# Altium PCB PCB2.PcbDoc (part 1 of 2) (continued)
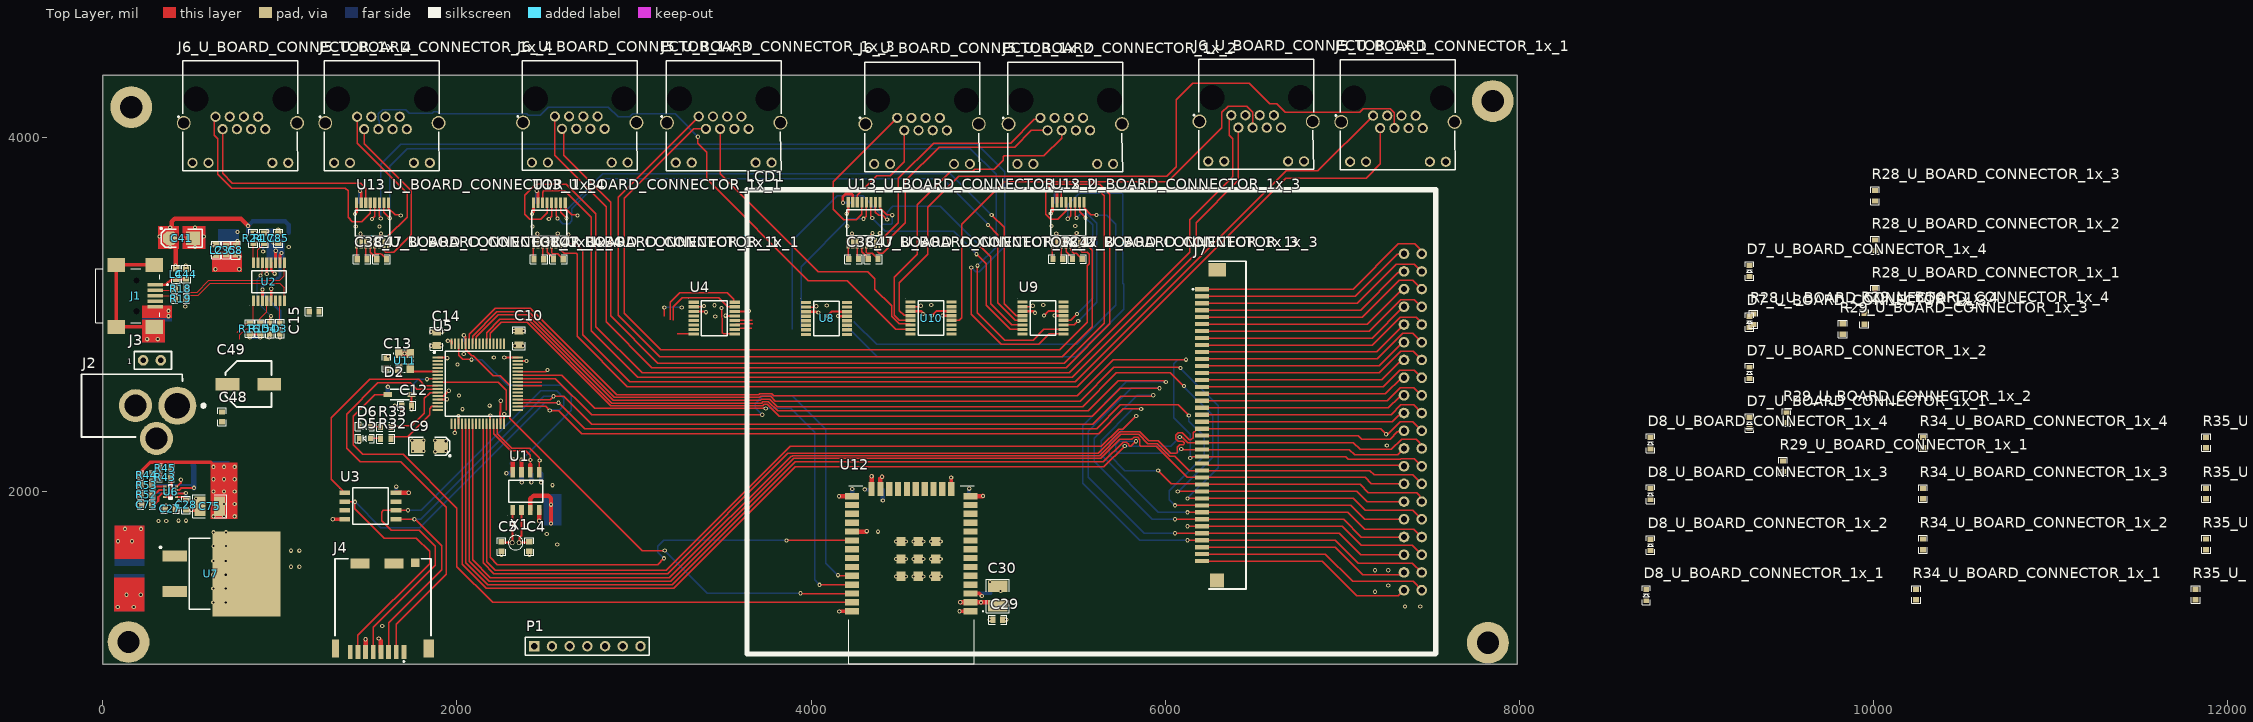
[diagram p0: Top Layer view]
## Components (designator, comment, footprint, x,y, rotation, side; value= is the part's Value field where it differs from the comment) (continued)
U6 "MP2333HGTL" MP2333HGTL-P 383.71,1997.31 r180 top value=3.3V
U7 "LD1085D2T33R" LD1085D2T33R 811.54,1534.72 r0 top value=3.3V
U8 "ADG708BRUZ" ADG708BRUZ 4087.68,2976.61 r0 top
U9 "ADG708BRUZ" ADG708BRUZ 5310.39,2979.21 r0 top
U10 "ADG708BRUZ" ADG708BRUZ 4677.95,2979.21 r0 top
U11 "OSC-25" ASE-25.000MHZ-LC-T 1704.84,2736.93 r270 top value=25MHZ
U12 "ESP32-WROOM-32E_M113EH3200PH3Q0_" ESP32WROOM32EM113EH3200PH3Q0 4901.5,1323.41 r180 top
U13_U_BOARD_CONNECTOR_1x_1 "MAX3232CPWR" MAX3232CPWR 2522.23,3515.16 r90 top (schematic designator U13)
U13_U_BOARD_CONNECTOR_1x_2 "MAX3232CPWR" MAX3232CPWR 4299.72,3516.69 r90 top (schematic designator U13)
U13_U_BOARD_CONNECTOR_1x_3 "MAX3232CPWR" MAX3232CPWR 5452.91,3517.25 r90 top (schematic designator U13)
U13_U_BOARD_CONNECTOR_1x_4 "MAX3232CPWR" MAX3232CPWR 1523.62,3515.16 r90 top (schematic designator U13)
X1 "AB26T-32.768KHZ-6" AB26T32768KHZE 2312.17,1710.55 r0 top value=32.768KHZ

## Footprints (in the part's own frame and the unit in brackets; to place one, negate y for a bottom-side part, rotate by r counter-clockwise, add the part's x,y. Pads: shape width x height; smd on the part's side, far side on the other; paste and mask are expansions set on the pad)
1N4148W-13-F [mm]
  rect 1.2x0.75 smd: 1(-1.7,0) 2(1.7,0)
  silkscreen extent -2.3,-0.77 1.35,0.77, body extent -1.85,-0.78 1.85,0.78, height 1.45
0603C [mm]
  rect 0.762x0.9 smd: 1(-0.7,0) 2(0.7,0)
  silkscreen extent -1.27,-0.64 1.27,0.64, body extent -0.8,-0.4 0.8,0.4, height 0.93
0603L [mil]
  rect 30x35 smd: 1(30,0) 2(-30,0)
  silkscreen extent -50,-25 50,25, body extent -31,-16 32,16, height 31
0603R [mil]
  rect 30x35 smd: 1(30,0) 2(-30,0)
  silkscreen extent -50,-25 50,25, body extent -31,-17 31,17, height 18
0805C [mm]
  rect 1x1.25 smd: 1(-1,0) 2(1,0)
  silkscreen extent -1.65,-0.89 1.65,0.89, body extent -1,-0.6 1,0.6, height 0.91
0805R [mil]
  rect 40x50 smd: 1(-40,0) 2(40,0)
  silkscreen extent -65,-35 65,35, body extent -39,-25 39,25, height 18
1210C [mm]
  rect 1.6x2.794 smd: 1(-1.4,0) 2(1.4,0)
  silkscreen extent -2.41,-1.65 2.41,1.65, body extent -1.6,-1.25 1.6,1.25, height 2.5
10033527-N3112LF [mm]
  rect 0.5x2.25 smd: 1(-1.6,2.675) 2(-0.8,2.675) 3(0,2.675) 4(0.8,2.675) 5(1.6,2.675)
  round 0.45 hole 0.9 unplated: MH1(-2.2,0) MH2(2.2,0)
  rect 2x2.5 smd: MP1(-4.45,2.55) MP2(4.45,2.55) MP3(-4.45,-2.87) MP4(4.45,-2.87)
  silkscreen extent -3.85,-5.85 3.85,4.55, body extent -5.25,-5.85 5.25,3.75, height 4.15
AB26T32768KHZE [mm]
  round 0.7 hole 0.46: 1(0,0) 2(1,0)
  silkscreen extent -0.55,-1.05 1.55,1.05, body extent -0.55,-1.05 1.55,1.05, height 8.3
ADG708BRUZ [mm]
  rect 1.475x0.45 smd: 1(-2.938,2.275) 2(-2.938,1.625) 3(-2.938,0.975) 4(-2.938,0.325) 5(-2.938,-0.325) 6(-2.938,-0.975) 7(-2.938,-1.625) 8(-2.938,-2.275) 9(2.938,-2.275) 10(2.938,-1.625) 11(2.938,-0.975) 12(2.938,-0.325) 13(2.938,0.325) 14(2.938,0.975) 15(2.938,1.625) 16(2.938,2.275)
  silkscreen extent -3.68,-2.5 1.85,2.85, body extent -3.2,-2.5 3.2,2.5, height 1.2
ASE-25.000MHZ-LC-T [mm]
  rect 1.3x1.1 smd: 1(-1.05,-0.825) 2(1.05,-0.825) 3(1.05,0.825) 4(-1.05,0.825)
  silkscreen extent -1.6,-1.65 1.6,1.25, body extent -1.6,-1.26 1.6,1.26, height 1.1
CASE-A [mm]
  oct 2x2 smd: 1(0,0)
  rect 2x2 smd: 2(3.3,0)
  silkscreen extent -1.43,-1.3 4.6,1.53, body extent -0.7,-0.9 4.1,0.9, height 1.8
DM3CS-SF-PEJMS [mm]
  rect 0.7x2 smd: 1(3,-6.35) 2(1.9,-6.35) 3(0.8,-6.35) 4(-0.3,-6.35) 5(-1.4,-6.35) 6(-2.5,-6.35) 7(-3.6,-6.35) 8(-4.7,-6.35)
  rect 1x2.6 smd: 9(-6.8,-5.85)
  rect 1.5x2.6 smd: 10(6.55,-5.85)
  rect 1.2x1.2 smd: 11(4.65,6.45)
  rect 2.7x1.4 smd: 12(1.6,6.35) 13(-3.3,6.35)
  silkscreen extent -6.9,-7.8 6.9,7.05, body extent -6.9,-7.1 6.9,7, height 1.98
EEE-FN1J100L [mm]
  rect 3.4x1.8 smd: 1(-3,0) 2(3,0)
  silkscreen extent -3.3,-3.3 3.3,3.3, body extent -3.9,-3.4 3.9,3.4, height 6.1
ER-TFTM035-6 [mil]
  round 60 hole 35.43: 1(-950,1736.22) 2(-950,1636.22) 3(-850,1736.22) 4(-850,1636.22) 5(-750,1736.22) 6(-750,1636.22) 7(-650,1736.22) 8(-650,1636.22) 9(-550,1736.22) 10(-550,1636.22) 11(-450,1736.22) 12(-450,1636.22) 13(-350,1736.22) 14(-350,1636.22) 15(-250,1736.22) 16(-250,1636.22) 17(-150,1736.22) 18(-150,1636.22) 19(-50,1736.22) 20(-50,1636.22) 21(50,1736.22) 22(50,1636.22) 23(150,1736.22) 24(150,1636.22) 25(250,1736.22) 26(250,1636.22) 27(350,1736.22) 28(350,1636.22) 29(450,1736.22) 30(450,1636.22) 31(550,1736.22) 32(550,1636.22) 33(650,1736.22) 34(650,1636.22) 35(750,1736.22) 36(750,1636.22) 37(850,1736.22) 38(850,1636.22) 39(950,1736.22) 40(950,1636.22)
  silkscreen extent -1311,-2074 1311,1816
ERCON40HB2 [mm]
  rect 0.6x2 smd: 1(-19.5,-2.45) 2(-18.5,-2.45) 3(-17.5,-2.45) 4(-16.5,-2.45) 5(-15.5,-2.45) 6(-14.5,-2.45) 7(-13.5,-2.45) 8(-12.5,-2.45) 9(-11.5,-2.45) 10(-10.5,-2.45) 11(-9.5,-2.45) 12(-8.5,-2.45) 13(-7.5,-2.45) 14(-6.5,-2.45) 15(-5.5,-2.45) 16(-4.5,-2.45) 17(-3.5,-2.45) 18(-2.5,-2.45) 19(-1.5,-2.45) 20(-0.5,-2.45) 21(0.5,-2.45) 22(1.5,-2.45) 23(2.5,-2.45) 24(3.5,-2.45) 25(4.5,-2.45) 26(5.5,-2.45) 27(6.5,-2.45) 28(7.5,-2.45) 29(8.5,-2.45) 30(9.5,-2.45) 31(10.5,-2.45) 32(11.5,-2.45) 33(12.5,-2.45) 34(13.5,-2.45) 35(14.5,-2.45) 36(15.5,-2.45) 37(16.5,-2.45) 38(17.5,-2.45) 39(18.5,-2.45) 40(19.5,-2.45)
  rect 2x2.5 smd: 41(-22.3,-0.3)
  rect 2x2 smd: 42(22.3,-0.3)
  silkscreen extent -23.5,-3.85 23.5,3.85
ESP32WROOM32EM113EH3200PH3Q0 [mm]
  rect 2x0.9 smd: 1(0,0) 2(0,-1.27) 3(0,-2.54) 4(0,-3.81) 5(0,-5.08) 6(0,-6.35) 7(0,-7.62) 8(0,-8.89) 9(0,-10.16) 10(0,-11.43) 11(0,-12.7) 12(0,-13.97) 13(0,-15.24) 14(0,-16.51) 25(17,-16.51) 26(17,-15.24) 27(17,-13.97) 28(17,-12.7) 29(17,-11.43) 30(17,-10.16) 31(17,-8.89) 32(17,-7.62) 33(17,-6.35) 34(17,-5.08) 35(17,-3.81) 36(17,-2.54) 37(17,-1.27) 38(17,0)
  rect 0.9x2 smd: 15(2.785,-17.51) 16(4.055,-17.51) 17(5.325,-17.51) 18(6.595,-17.51) 19(7.865,-17.51) 20(9.135,-17.51) 21(10.405,-17.51) 22(11.675,-17.51) 23(12.945,-17.51) 24(14.215,-17.51)
  rect 1.33x1.33 smd: 39(5,-5) 40(5,-7.5) 41(5,-10) 42(7.5,-10) 43(7.5,-7.5) 44(7.5,-5) 45(10,-5) 46(10,-7.5) 47(10,-10)
  silkscreen extent -1.8,-18 17.5,7.5, body extent -0.46,-18.03 17.61,7.51, height 3
FT230 [mm]
  rect 1.526x0.435 smd: 1(-2.712,2.222) 2(-2.712,1.588) 3(-2.712,0.952) 4(-2.712,0.318) 5(-2.712,-0.318) 6(-2.712,-0.952) 7(-2.712,-1.588) 8(-2.712,-2.222) 9(2.712,-2.222) 10(2.712,-1.588) 11(2.712,-0.952) 12(2.712,-0.318) 13(2.712,0.318) 14(2.712,0.952) 15(2.712,1.588) 16(2.712,2.222)
  silkscreen extent -3.48,-2.45 1.6,2.79, body extent -3,-2.45 3,2.45, height 1.75
HDR1X7 [mm] "Connector; Header; 7 Position"
  rect 1.5x1.5 hole 0.9: 1(0,0)
  round 1.5 hole 0.9: 2(2.54,0) 3(5.08,0) 4(7.62,0) 5(10.16,0) 6(12.7,0) 7(15.24,0)
  silkscreen extent -1.27,-1.27 16.51,1.27
HEADER_2 [mil]
  round 60 hole 30: 1(0,150) 2(0,50)
  silkscreen extent -50,-10 50,200
IHLP1616BZER2R2M5A [mil]
  rect 90x120 smd: 1(0,0) 2(157.48,0)
  silkscreen extent -10,-85 165,85
LD1085D2T33R [mm]
  rect 3.5x1.6 smd: 1(-10.275,2.54) 3(-10.275,-2.54)
  rect 9.75x12.2 smd: 4(0,0)
  silkscreen extent -12.39,-5.1 -5.2,5.1, body extent -10.41,-3.25 -0.71,3.33, height 2.3
LED_0603 [mm]
  rect 0.7x0.8 smd: 1(-0.8,0) 2(0.8,0)
  silkscreen extent -1.35,-0.6 1.35,0.6, body extent -0.8,-0.4 0.8,0.4, height 0.75
MAX3232CPWR [mm]
  rect 1.475x0.45 smd: 1(-2.938,2.275) 2(-2.938,1.625) 3(-2.938,0.975) 4(-2.938,0.325) 5(-2.938,-0.325) 6(-2.938,-0.975) 7(-2.938,-1.625) 8(-2.938,-2.275) 9(2.938,-2.275) 10(2.938,-1.625) 11(2.938,-0.975) 12(2.938,-0.325) 13(2.938,0.325) 14(2.938,0.975) 15(2.938,1.625) 16(2.938,2.275)
  silkscreen extent -1.85,-2.5 1.85,2.5, body extent -3.2,-2.5 3.2,2.5, height 1.2
MCP79400-I/SN [mm]
  rect 1.5x0.65 smd: 1(-2.7,1.905) 2(-2.7,0.635) 3(-2.7,-0.635) 4(-2.7,-1.905) 5(2.7,-1.905) 6(2.7,-0.635) 7(2.7,0.635) 8(2.7,1.905)
  silkscreen extent -3.45,-2.45 1.6,2.58, body extent -3,-2.45 3,2.45, height 1.75
MP2333HGTL-P [mm]
  rect 0.475x0.3 smd: 1(-0.838,0.75) 2(-0.838,0.25) 3(-0.838,-0.25) 4(-0.838,-0.75) 5(0.838,-0.75) 6(0.838,-0.25) 7(0.838,0.25) 8(0.838,0.75)
  silkscreen extent -1.27,-1.05 0.25,1.42, body extent -0.8,-1.05 0.8,1.05, height 0.6
PJ002BH [mm]
  round 5.46 hole 3.64: 1(0,0)
  round 4.74 hole 3.16: 2(6,0) 3(3,4.7)
  silkscreen extent -4,-4.5 13.75,4.5, body extent -0.73,-4.57 13.67,4.83, height 11.36
RJHSE5381 [mm]
  round 1.462 hole 0.94: 1(3.501,0.125) 2(2.481,1.905) 3(1.461,0.125) 4(0.441,1.905) 5(-0.579,0.125) 6(-1.599,1.905) 7(-2.619,0.125) 8(-3.639,1.905) 9(6.801,6.735) 10(4.511,6.735) 11(-4.649,6.735) 12(-6.939,6.735)
  round 2 hole 1.6: MH1(-8.199,1.015) MH2(8.061,1.015)
  round 1.65 hole 3.556 unplated: MH3(-6.419,-2.415) MH4(6.281,-2.415)
  silkscreen extent -8.32,-7.88 8.93,7.88, body extent -8.47,-8.13 8.36,8.08, height 16.37
S25FL064LABMFI013 [mm]
  rect 1.55x0.65 smd: 1(-3.675,1.905) 2(-3.675,0.635) 3(-3.675,-0.635) 4(-3.675,-1.905) 5(3.675,-1.905) 6(3.675,-0.635) 7(3.675,0.635) 8(3.675,1.905)
  silkscreen extent -4.45,-2.64 2.55,2.64, body extent -4,-2.64 4,2.64, height 2.16
STM32F101RBT6 [mm]
  rect 1.475x0.3 smd: 1(-5.738,3.75) 2(-5.738,3.25) 3(-5.738,2.75) 4(-5.738,2.25) 5(-5.738,1.75) 6(-5.738,1.25) 7(-5.738,0.75) 8(-5.738,0.25) 9(-5.738,-0.25) 10(-5.738,-0.75) 11(-5.738,-1.25) 12(-5.738,-1.75) 13(-5.738,-2.25) 14(-5.738,-2.75) 15(-5.738,-3.25) 16(-5.738,-3.75) 33(5.738,-3.75) 34(5.738,-3.25) 35(5.738,-2.75) 36(5.738,-2.25) 37(5.738,-1.75) 38(5.738,-1.25) 39(5.738,-0.75) 40(5.738,-0.25) 41(5.738,0.25) 42(5.738,0.75) 43(5.738,1.25) 44(5.738,1.75) 45(5.738,2.25) 46(5.738,2.75) 47(5.738,3.25) 48(5.738,3.75)
  rect 0.3x1.475 smd: 17(-3.75,-5.738) 18(-3.25,-5.738) 19(-2.75,-5.738) 20(-2.25,-5.738) 21(-1.75,-5.738) 22(-1.25,-5.738) 23(-0.75,-5.738) 24(-0.25,-5.738) 25(0.25,-5.738) 26(0.75,-5.738) 27(1.25,-5.738) 28(1.75,-5.738) 29(2.25,-5.738) 30(2.75,-5.738) 31(3.25,-5.738) 32(3.75,-5.738) 49(3.75,5.738) 50(3.25,5.738) 51(2.75,5.738) 52(2.25,5.738) 53(1.75,5.738) 54(1.25,5.738) 55(0.75,5.738) 56(0.25,5.738) 57(-0.25,5.738) 58(-0.75,5.738) 59(-1.25,5.738) 60(-1.75,5.738) 61(-2.25,5.738) 62(-2.75,5.738) 63(-3.25,5.738) 64(-3.75,5.738)
  silkscreen extent -6.35,-4.65 4.65,4.65, body extent -6,-6 6,6, height 1.6

## Part data
C1 C6 C7 C11 C13 C15 C16 C17 C18 C19 C20 C21 C22 C23 C24 C29 C32 C36 C42 C43 C85: library part Cap, "Multilayer Ceramic Capacitors MLCC - SMD/SMT 0603 16VDC 0.1uF 10% X7R AEC-Q2000", Mfr="Taiyo Yuden", Mfr Part No=EMK107B7104KAHT, Package=0603, PRICE=0.101, Stockiest=MOUSER, Stockiest Part No=963-EMK107B7104KAHT
C2: library part 0805_CAP, "Multilayer Ceramic Capacitors MLCC - SMD/SMT 0603 16VDC 0.1uF 10% X7R AEC-Q2000", Mfr="Taiyo Yuden", Mfr Part No=EMK107B7104KAHT, Package=0603, PRICE=0.101, Stockiest=MOUSER, Stockiest Part No=963-EMK107B7104KAHT
C3 C9 C40 C41: library part "Cap Pol1", "Tantalum Capacitors - Solid SMD 16V 4.7uF 1206", Mfr=KEMET, Mfr Part No=T495A475K016ATA2K0, Package=1206, PRICE=1.83, Stockiest=MOUSER, Stockiest Part No=80-T495A475K16ATA2K0
C4 C5 C76: library part Cap, "Multilayer Ceramic Capacitors MLCC - SMD/SMT 50V 10pF 0603 C0G 5% AEC-Q200", Mfr=KEMET, Mfr Part No=C0603C100J5GACAUTO, Package=0603, PRICE=0.192, Stockiest=MOUSER, Stockiest Part No=80-C0603C100J5GAUTO
C8 C44: library part Cap, "Multilayer Ceramic Capacitors MLCC - SMD/SMT 16V 0.01uF X7R 0603 10% AEC-Q200", Mfr=KEMET, Mfr Part No=C0603C103K4RECAUTO, Package=0603, PRICE=0.151, Stockiest=MOUSER, Stockiest Part No=80-C0603C103K4RECAUT
C10 C14 C37: library part Cap, "Multilayer Ceramic Capacitors MLCC - SMD/SMT 0805 25VDC 10uF 20% X5R", Mfr="Taiyo Yuden", Mfr Part No=TMK212BBJ106MG-T, Package=0805, PRICE=0.232, Stockiest=MOUSER, Stockiest Part No=963-TMK212BBJ106MG-T
C12 C25 C31: library part Cap, "Multilayer Ceramic Capacitors MLCC - SMD/SMT 16volts 1uF X7R 10%", Mfr=KEMET, Mfr Part No=C0603C105K4RAC7411, Package=0603, PRICE=0.101, Stockiest=MOUSER, Stockiest Part No=80-C0603C105K4RLR
C26 C30 C33 C34 C74 C75: library part Cap, "Multilayer Ceramic Capacitors MLCC - SMD/SMT 1210 25VDC 22uF 20% X7R AEC-Q200", Mfr="Taiyo Yuden", Mfr Part No=TMK325B7226MMHP, Package=1210, PRICE=0.807, Stockiest=MOUSER, Stockiest Part No=963-TMK325B7226MMHP
C27 C38_U_BOARD_CONNECTOR_1x_1 C38_U_BOARD_CONNECTOR_1x_2 C38_U_BOARD_CONNECTOR_1x_3 C38_U_BOARD_CONNECTOR_1x_4 C39_U_BOARD_CONNECTOR_1x_1 C39_U_BOARD_CONNECTOR_1x_2 C39_U_BOARD_CONNECTOR_1x_3 C39_U_BOARD_CONNECTOR_1x_4 C45_U_BOARD_CONNECTOR_1x_1 C45_U_BOARD_CONNECTOR_1x_2 C45_U_BOARD_CONNECTOR_1x_3 C45_U_BOARD_CONNECTOR_1x_4 C46_U_BOARD_CONNECTOR_1x_1 C46_U_BOARD_CONNECTOR_1x_2 C46_U_BOARD_CONNECTOR_1x_3 C46_U_BOARD_CONNECTOR_1x_4 C47_U_BOARD_CONNECTOR_1x_1 C47_U_BOARD_CONNECTOR_1x_2 C47_U_BOARD_CONNECTOR_1x_3 C47_U_BOARD_CONNECTOR_1x_4: library part Cap, "Multilayer Ceramic Capacitors MLCC - SMD/SMT 50V 0.1uF 0603 X7R 20%", Mfr=KEMET, Mfr Part No=C0603C104M5RACTU, Package=0603, PRICE=0.101, Stockiest=MOUSER, Stockiest Part No=80-C0603C104M5R
C28: library part Cap, "Multilayer Ceramic Capacitors MLCC - SMD/SMT 63V 1000pF 0603 X7R 10% AEC-Q200", Mfr=KEMET, Mfr Part No=80-C0603C102KMREAUTO, Package=0603, PRICE=0.201, Stockiest=MOUSER, Stockiest Part No=C0603C102KMRECAUTO
C35: library part Cap, "Multilayer Ceramic Capacitors MLCC - SMD/SMT 0603 16VDC 0.1uF 10% X7R AEC-Q200", Mfr="Taiyo Yuden", Mfr Part No=EMK107B7104KAHT, Package=0603, PRICE=0.101, Stockiest=MOUSER, Stockiest Part No=963-EMK107B7104KAHT
C48: library part Cap, "Multilayer Ceramic Capacitors MLCC - SMD/SMT 0603 2.2uF 20% 50VDC X5R", Mfr="Murata Electronics", Mfr Part No=GRM188R61H225ME11J, Package=0603, PRICE=0.333, Stockiest=MOUSER, Stockiest Part No=81-GRM188R61H225ME1J
C49: library part "Cap Pol1", "Polarized Capacitor (Radial)", Mfr=Panasonic, Mfr Part No=EEE-FN1J100L, Package=SMD, PRICE=0.484, Stockiest=MOUSER, Stockiest Part No=667-EEE-FN1J100L
C50 C63: library part Cap, "Multilayer Ceramic Capacitors MLCC - SMD/SMT 100V 47pF 0603 X8R 20% AEC-Q200", Mfr=KEMET, Mfr Part No=C0603C470M1HACAUTO, Package=0603, PRICE=0.121, Stockiest=MOUSER, Stockiest Part No=80-C0603C470M1HAUTO
C73: library part Cap, "Multilayer Ceramic Capacitors MLCC - SMD/SMT 0603 50VDC 6.8nF 5% C0G AEC-Q200", Mfr=TDK, Mfr Part No=CGA3E2C0G1H682J080AE, Package=0603, PRICE=0.363, Stockiest=MOUSER, Stockiest Part No=810-CGA3E2C0G1H682J8
C86: library part 0805_CAP, "Multilayer Ceramic Capacitors MLCC - SMD/SMT 50V 4700pF X7R 0603 10% AEC-Q200", Mfr=KEMET, Mfr Part No=C0603C472K5RACAUTO7411, Package=0603, PRICE=0.221, Stockiest=MOUSER, Stockiest Part No=80-C0603C472K5RAUTLR
D1 D2: library part Diode, "Diodes - General Purpose, Power, Switching 400mW 100Vrrm 4ns", Mfr="Diodes Incorporated", Mfr Part No=1N4148W-13-F, Package=SOD-123-2, PRICE=0.171, Stockiest=MOUSER, Stockiest Part No=621-1N4148W-13-F
D3 D4: library part LED, "Standard LEDs - SMD Red 631nm 14mcd 5mA", Mfr Part No=LTST-C193KRKT-5A, Package=0603, PRICE=0.28, Stockiest=MOUSER, Stockiest Part No=859-LTSTC193KRKT5A
D5 D6 D7_U_BOARD_CONNECTOR_1x_1 D7_U_BOARD_CONNECTOR_1x_2 D7_U_BOARD_CONNECTOR_1x_3 D7_U_BOARD_CONNECTOR_1x_4 D8_U_BOARD_CONNECTOR_1x_1 D8_U_BOARD_CONNECTOR_1x_2 D8_U_BOARD_CONNECTOR_1x_3 D8_U_BOARD_CONNECTOR_1x_4: library part LED, "Standard LEDs - SMD Red 631nm 14mcd 5mA", Mfr=Lite-On, Mfr Part No=LTST-C193KRKT-5A, Package=0603, PRICE=0.393, Stockiest=MOUSER, Stockiest Part No=859-LTSTC193KRKT5A
J1: library part 10033527-N3112LF, "USB Connectors M-USB 1X1 B/REC R/A SMT", Mfr="TE Connectivity", Mfr Part No=1734035-2, PRICE=1.59, Stockiest=MOUSER, Stockiest Part No=571-1734035-2
J2: "Connector", Manufacturer_Name="CUI Devices", Mouser Part Number=490-PJ-002BH, Arrow Part Number=PJ-002BH, Arrow Price/Stock=https://www.arrow.com/en/products/pj-002bh/cui-devices, Datasheet Link=https://componentsearchengine.com/Datasheets/1/PJ-002BH.pdf, Height=11mm, Manufacturer_Part_Number=PJ-002BH, Mouser Price/Stock=https://www.mouser.co.uk/ProductDetail/CUI-Devices/PJ-002BH?qs=WyjlAZoYn51nOX1h%2FqpLlg%3D%3D
J3: "Coin Cell Battery Holders 20mm coin cell HOLDER", Mfr Part No=101, PRICE=2.23, Stockiest=MOUSER, Stockiest Part No=534-101
J4: "Memory Card Connectors 8P R/A SMT MICRO SD HINGE PUSH-PULL", Mfr="Hirose Connector", Mfr Part No=DM3CS-SF, PRICE=1.44, Stockiest=MOUSER, Stockiest Part No=798-DM3CSSF
J5_U_BOARD_CONNECTOR_1x_1 J5_U_BOARD_CONNECTOR_1x_2 J5_U_BOARD_CONNECTOR_1x_3 J5_U_BOARD_CONNECTOR_1x_4 J6_U_BOARD_CONNECTOR_1x_1 J6_U_BOARD_CONNECTOR_1x_2 J6_U_BOARD_CONNECTOR_1x_3 J6_U_BOARD_CONNECTOR_1x_4: "Modular Connectors / Ethernet Connectors R/A RJ45 SHEILDED 8 CONT Y/G LEDS", Mfr="Amphenol Commercial Products", Mfr Part No=RJHSE-5381, PRICE=1.77, Stockiest=MOUSER, Stockiest Part No=523-RJHSE-5381
J7: "Connector", Manufacturer_Name=EastRising, Datasheet Link=http://www.buydisplay.com/download/connector/ER-CON40HB-2.pdf, Height=2mm, Manufacturer_Part_Number=ER-CON40HB-2
L2 L4: library part 0805_IND, "Ferrite Beads 100ohms 1A 60mOhms 0603 Ferrite Chip", Mfr=TDK, Mfr Part No=MPZ1608D101BTA00, Package=0603, PRICE=0.10, Stockiest=MOUSER, Stockiest Part No=810-MPZ1608D101BTA00
L6: library part INDUCTOR, "Fixed Inductors 2.2uH 20% High Temp AEC-Q200", Mfr="Vishay / Dale", Mfr Part No=IHLP1616BZER2R2M5A, PRICE=1.36, Stockiest=MOUSER, Stockiest Part No=70-IHLP1616BZR2R2M5A
LCD1: library part ER-TFTM035-6, Mfr="Buy LCD", Mfr Part No=ER-TFTM035-6, PRICE=17, Stockiest="BUY LCD", Stockiest Part No=ER-TFTM035-6
P1: library part "Header 7", "Header, 7-Pin", Stockiest=MOUSER
R1 R4 R5 R6 R7 R8 R11 R12 R13 R14 R15 R16 R17 R20 R21 R25 R26 R27 R28_U_BOARD_CONNECTOR_1x_1 R28_U_BOARD_CONNECTOR_1x_2 R28_U_BOARD_CONNECTOR_1x_3 R28_U_BOARD_CONNECTOR_1x_4 R29_U_BOARD_CONNECTOR_1x_1 R29_U_BOARD_CONNECTOR_1x_2 R29_U_BOARD_CONNECTOR_1x_3 R29_U_BOARD_CONNECTOR_1x_4 R43: library part Res1, "Thick Film Resistors - SMD 0603 10Kohms 1% Anti-Sulfur AEC-Q200", Mfr="ROHM Semiconductor", Mfr Part No=SFR03EZPF1002, Package=0603, PRICE=0.101, Stockiest=MOUSER, Stockiest Part No=755-SFR03EZPF1002
R2 R3: library part Res1, "Resistor", Mfr="Vishay / Dale", Mfr Part No=CRCW06031K00FKEAC, Package=0603, PRICE=0.1, Stockiest=MOUSER, Stockiest Part No=71-CRCW06031K00FKEAC
R9 R24: library part Res1, "Thick Film Resistors - SMD 1/10Watt 0ohms Commercial Use", Mfr="Vishay / Dale", Mfr Part No=CRCW06030000Z0EAC, Package=0603, PRICE=0.101, Stockiest=MOUSER, Stockiest Part No=71-CRCW06030000Z0EAC
R10: library part 0402_RES, "Thick Film Resistors - SMD 0603 10Kohms 1% Anti-Sulfur AEC-Q200", Mfr="ROHM Semiconductor", Mfr Part No=SFR03EZPF1002, Package=0603, PRICE=0.101, Stockiest=MOUSER, Stockiest Part No=755-SFR03EZPF1002
R18 R19: library part Res1, "Thick Film Resistors - SMD 0603 0.25W 1% 27ohm AEC-Q200", Mfr=Panasonic, Mfr Part No=ERJ-UP3F27R0V, Package=0603, PRICE=0.262, Stockiest=MOUSER, Stockiest Part No=667-ERJ-UP3F27R0V
R22: library part 0805_RES, "Thick Film Resistors - SMD 0603 0.25W 1% 1Mohm AEC-Q200", Mfr=Panasonic, Mfr Part No=ERJ-UP3F1004V, Package=0603, PRICE=0.262, Stockiest=MOUSER, Stockiest Part No=667-ERJ-UP3F1004V
R23: library part Res1, "Thick Film Resistors - SMD 1/10Watt 4.7Kohms 5% Commercial Use", Mfr="Vishay / Dale", Mfr Part No=CRCW06034K70JNEAC, Package=0603, PRICE=0.101, Stockiest=MOUSER, Stockiest Part No=71-CRCW06034K70JNEAC
R30 R31 R32 R33 R34_U_BOARD_CONNECTOR_1x_1 R34_U_BOARD_CONNECTOR_1x_2 R34_U_BOARD_CONNECTOR_1x_3 R34_U_BOARD_CONNECTOR_1x_4 R35_U_BOARD_CONNECTOR_1x_1 R35_U_BOARD_CONNECTOR_1x_2 R35_U_BOARD_CONNECTOR_1x_3 R35_U_BOARD_CONNECTOR_1x_4: library part Res1, "Thick Film Resistors - SMD 1/10Watt 220ohms 5% Commercial Use", Mfr="Vishay / Dale", Mfr Part No=CRCW0603220RJNEAC, Package=0603, PRICE=0.101, Stockiest=MOUSER, Stockiest Part No=71-CRCW0603220RJNEAC
R44: library part Res1, "Thick Film Resistors - SMD 0603 Anti-Surge Res. 0.1%, 40.2Koh", Mfr=Panasonic, Mfr Part No=ERJ-PB3B4022V, Package=0603, PRICE=0.252, Stockiest=MOUSER, Stockiest Part No=667-ERJ-PB3B4022V
R45: library part Res1, "Thick Film Resistors - SMD 0603 Anti-Surge Res. 0.1%, 7.68Koh", Mfr=Panasonic, Mfr Part No=ERJ-PB3B7681V, Package=0603, PRICE=0.252, Stockiest=MOUSER, Stockiest Part No=667-ERJ-PB3B7681V
R52: library part Res1, "Thick Film Resistors - SMD 0603 1% 604Kohm Anti-Sulfur AEC-Q200", Mfr=Panasonic, Mfr Part No=ERJ-U03F6043V, Package=0603, PRICE=0.221, Stockiest=MOUSER, Stockiest Part No=667-ERJ-U03F6043V
R53: library part Res1, "Thick Film Resistors - SMD 0603 0.25W 1% 20ohm AEC-Q200", Mfr=Panasonic, Mfr Part No=ERJ-UP3F20R0V, Package=0603, PRICE=0.262, Stockiest=MOUSER, Stockiest Part No=667-ERJ-UP3F20R0V
U1: "Real Time Clock I2C GP RTCC 64B SRAM ID", Mfr="Microchip Technology", Mfr Part No=MCP79400-I/SN, PRICE=0.827, Stockiest=MOUSER, Stockiest Part No=579-MCP79400ISN
U2: library part FT230, "USB Interface IC USB to Basic Serial UART IC SSOP-16", Mfr=FTDI, Mfr Part No=FT230XS-R, PRICE=2.06, Stockiest=MOUSER, Stockiest Part No=895-FT230XS-R
U3: "NOR Flash Nor", Mfr="Cypress Semiconductor", Mfr Part No=S25FL064LABMFI013, PRICE=1.45, Stockiest=MOUSER, Stockiest Part No=727-S25FL064LAMFI013
U4 U8 U9 U10: "Multiplexer Switch ICs 8-CHANNEL MUX", Mfr="Analog Devices", Mfr Part No=ADG708BRUZ, PRICE=3.68, Stockiest=MOUSER, Stockiest Part No=584-ADG708BRUZ
U5: "ARM Microcontrollers - MCU 32BIT Cortex M3 128K 16KB RAM 1X12 ADC", Mfr=STMicroelectronics, Mfr Part No=STM32F101RBT6, PRICE=5.12, Stockiest=MOUSER, Stockiest Part No=511-STM32F101RBT6
U6: "Switching Voltage Regulators High-Efficiency, 3A, 18V, 1200kHz, Synchronous, Step-Down Converter", Mfr="Monolithic Power Systems (MPS)", Mfr Part No=MP2333HGTL-P, PRICE=1.89, Stockiest=MOUSER, Stockiest Part No=946-MP2333HGTL-P
U7: "Integrated Circuit", Mfr=STMicroelectronics, Mfr Part No=LD1085D2T33R, PRICE=1.30, Stockiest=MOUSER, Stockiest Part No=511-LD1085D2T33-TR
U11: library part CRYSTAL, "Standard Clock Oscillators 25.0 MHZ 3.3V 50PPM SMD 32", Mfr=ABRACON, Mfr Part No=ASE-25.000MHZ-LC-T, PRICE=1.42, Stockiest=MOUSER, Stockiest Part No=815-ASE25.000MHZLCT
U12: "Integrated Circuit", Mfr="Espressif Systems", Mfr Part No=ESP32-WROOM-32E(M113EH3200PH3Q0), PRICE=2.62, Stockiest=MOUSER, Stockiest Part No=356-ESP32WRM32E132PH
U13_U_BOARD_CONNECTOR_1x_1 U13_U_BOARD_CONNECTOR_1x_2 U13_U_BOARD_CONNECTOR_1x_3 U13_U_BOARD_CONNECTOR_1x_4: "RS-232 Interface IC 3-5.5V Mult-Ch RS232", Mfr="Texas Instruments", Mfr Part No=MAX3232CPWR, PRICE=0.94, Stockiest=MOUSER, Stockiest Part No=595-MAX3232CPWR
X1: "Crystals 32.768KHz 6pF 32.768KHZ", Mfr=ABRACON, Mfr Part No=AB26T-32.768KHZ-6, PRICE=0.252, Stockiest=MOUSER, Stockiest Part No=815-AB26T-32.768K-6

## Free pads (board coordinates)
  round 236.22 hole 125.98: ""(145.67,1149.61) ""(160.79,4170.39) ""(7822.83,1145.67) ""(7850.39,4204.72)

## Via types
v1: diameter 24, hole 12, Top Layer to Bottom Layer, tented both sides, 260 vias
v2: diameter 24, hole 12, Top Layer to Bottom Layer, 63 vias

## Nets (pads, with @x,y where several pads share a name; then routed paths per layer and width w, separated by ;. In a path a pad name is that pad's centre, name@x,y a point inside that pad or via, vN(x,y) a via of type N, cw(c..) or ccw(c..) an arc to the next point about the centre after c; other vN are vias at no path point)
ADC_IN: U4.8 U5.8 | length 608.8
  Top Layer w8: U5.8@1892.44,2617.48 2232.91,2617.48 2277.68,2572.71 2277.68,2459.57 ; 3245.83,2889.02 U4.8@3337.73,2889.02
B_SENSE: U5.33 U10.8
BOARD_LSENSE1: D8_U_BOARD_CONNECTOR_1x_1.2 J6_U_BOARD_CONNECTOR_1x_1.4 R29_U_BOARD_CONNECTOR_1x_1.2 U10.12 | length 2669.8
  Top Layer w8: U10.12@4798.48,2971.27 U10.12@4793.62,2966.42 4836.42,2966.42 4850,2980 4850,3510 5090,3750 6015,3750 6320,4055 6320,4140 6355,4175 6460,4175 6494.08,4140.92 6494.08,4107.93 6495,4107.01 6495,4055.63 J6_U_BOARD_CONNECTOR_1x_1.4@6493.7,4054.33
BOARD_LSENSE2: D8_U_BOARD_CONNECTOR_1x_2.2 J6_U_BOARD_CONNECTOR_1x_2.4 R29_U_BOARD_CONNECTOR_1x_2.2 U10.11
BOARD_LSENSE3: D8_U_BOARD_CONNECTOR_1x_3.2 J6_U_BOARD_CONNECTOR_1x_3.4 R29_U_BOARD_CONNECTOR_1x_3.2 U10.10
BOARD_LSENSE4: D8_U_BOARD_CONNECTOR_1x_4.2 J6_U_BOARD_CONNECTOR_1x_4.4 R29_U_BOARD_CONNECTOR_1x_4.2 U10.9
BOARD_S0: U4.1 U5.41 U8.1 U9.1 U10.1 | length 285.4
  Top Layer w8: U5.41@2344.25,2617.48 2480,2617.48 ; 3171.65,2988.07 v1(3171.65,3039.25)
  Bottom Layer w8: v1(3171.65,3039.25) v1(3270.08,3039.25)
BOARD_S1: U4.16 U5.40 U8.16 U9.16 U10.16 | length 649
  Top Layer w8: U5.40@2344.25,2597.8 2480,2597.8 ; 3205.12,2970.35 3205.12,3068.78 3258.27,3121.93 3525.98,3121.93 3563.59,3084.32 3563.59,3073.01 3568.45,3068.15 U4.16@3569.07,3068.15
BOARD_S2: U4.15 U5.39 U8.15 U9.15 U10.15 | length 466.9
  Top Layer w8: 3221.63,2965.65 3221.63,3041.98 3274.02,3094.37 3478.74,3094.37 3530.55,3042.56 U4.15@3569.07,3042.56
BOARD_SENSE1: D7_U_BOARD_CONNECTOR_1x_1.2 J5_U_BOARD_CONNECTOR_1x_1.4 R28_U_BOARD_CONNECTOR_1x_1.2 U10.4 | length 4046.4
  Top Layer w8: U10.4@4562.28,2992.01 4560.22,2994.07 4525.93,2994.07 4498.31,3021.69 4498.31,3178.31 4660,3340 4660,3605 4835,3780 6010,3780 6062.5,3832.5 6062.5,4212.5 6155.41,4305.41 6474.59,4305.41 6590,4190 6630,4190 6678.95,4141.05 7098.12,4141.05 7118.9,4161.83 7270.81,4161.83 7294.49,4138.15 J5_U_BOARD_CONNECTOR_1x_1.4@7294.49,4051.97
BOARD_SENSE2: D7_U_BOARD_CONNECTOR_1x_2.2 J5_U_BOARD_CONNECTOR_1x_2.4 R28_U_BOARD_CONNECTOR_1x_2.2 U10.5 | length 1809.7
  Top Layer w8: U10.5@4562.28,2966.42 4498.58,2966.42 4470,2995 4470,3210 4600,3340 4600,3620 4789.43,3809.43 4914.12,3809.43 4924.68,3820 5035,3820 5085,3870 5085,3890 5090,3895 5315,3895 5415.75,3995.75 J5_U_BOARD_CONNECTOR_1x_2.4@5415.75,4039.37
BOARD_SENSE3: D7_U_BOARD_CONNECTOR_1x_3.2 J5_U_BOARD_CONNECTOR_1x_3.4 R28_U_BOARD_CONNECTOR_1x_3.2 U10.6 | length 1750.7
  Top Layer w8: J5_U_BOARD_CONNECTOR_1x_3.4@3486.61,4047.24 3486.61,3793.39 4040,3240 4320,3240 4360,3200 4360,3143.11 4455,3048.11 4455,2988.79 4497.23,2946.56 4532.56,2946.56 4533.44,2945.68 4557.43,2945.68 U10.6@4562.28,2940.83
BOARD_SENSE4: D7_U_BOARD_CONNECTOR_1x_4.2 J5_U_BOARD_CONNECTOR_1x_4.4 R28_U_BOARD_CONNECTOR_1x_4.2 U10.7 | length 3791.3
  Top Layer w8: v1@3359.39,4001.87 3359.39,3965.61 3410,3915 3410,3765 3985,3190 4205,3190 4479.76,2915.24 U10.7@4562.28,2915.24
  Bottom Layer w8: J5_U_BOARD_CONNECTOR_1x_4.4@1556.64,4045.84 1562.31,4051.51 1562.31,4094.15 1557.02,4099.44 1557.02,4132.4 1580.32,4155.7 1709.9,4155.7 1730.68,4134.92 1860.27,4134.92 1870.35,4145 1890,4145 1901.95,4133.05 2394.88,4133.05 2402.93,4125 2470,4125 2515,4170 2855,4170 2910,4115 2975.26,4115 2993.31,4133.05 3232.27,4133.05 3255,4110.31 3255,4109.06 v1(3360.93,4003.13)
CMD_EN: U5.45
CMD_RX1: U8.4 U13_U_BOARD_CONNECTOR_1x_1.9 | length 118
  Top Layer w8: U13_U_BOARD_CONNECTOR_1x_1.9@2611.79,3630.83 2611.79,3599.48 2649.56,3561.72 2678.51,3561.72 v1(2681.57,3558.66)
CMD_RX2: U8.5 U13_U_BOARD_CONNECTOR_1x_1.12 | length 99.4
  Top Layer w8: v1(2519.31,3537.91) 2535.02,3553.62 U13_U_BOARD_CONNECTOR_1x_1.12@2535.02,3630.83
CMD_RX3: U8.6 U13_U_BOARD_CONNECTOR_1x_2.9 | length 1427.2
  Top Layer w8: U13_U_BOARD_CONNECTOR_1x_2.9@4389.29,3632.36 4389.29,3601.01 4427.06,3563.25 4456.01,3563.25 v1(4459.07,3560.19)
  Bottom Layer w8: 3895,2915 3895,3415.79 4147.68,3668.47 4291.89,3668.47 4400.26,3560.1 4400.26,3514.69 4404.94,3510 4454.38,3510 4459.07,3514.69 v1(4459.07,3560.19)
CMD_RX4: U8.7 U13_U_BOARD_CONNECTOR_1x_2.12 | length 907.9
  Top Layer w8: v1(4296.81,3539.44) 4312.52,3555.15 U13_U_BOARD_CONNECTOR_1x_2.12@4312.52,3632.36
  Bottom Layer w8: 3945,2925 3945,3270.08 4214.36,3539.44 v1(4296.81,3539.44)
CMD_RX5: U8.12 U13_U_BOARD_CONNECTOR_1x_3.9 | length 2329.7
  Top Layer w8: U13_U_BOARD_CONNECTOR_1x_3.9@5542.48,3632.92 5542.48,3601.57 5580.24,3563.81 5609.2,3563.81 v1(5612.26,3560.75)
  Bottom Layer w8: 4245,2960 4245,2955 4370,2830 5500,2830 5720,3050 5720,3510 5669.25,3560.75 v1(5612.26,3560.75)
CMD_RX6: U8.11 U13_U_BOARD_CONNECTOR_1x_3.12 | length 2905.9
  Top Layer w8: v1(5450,3540) 5465.71,3555.71 U13_U_BOARD_CONNECTOR_1x_3.12@5465.71,3632.92
  Bottom Layer w8: 4210,2925 4375,2760 5495,2760 5765,3030 5765,3170 5760,3175 5760,3680.31 5755.31,3685 5515,3685 5450,3620 v1(5450,3540)
CMD_RX7: U8.10 U13_U_BOARD_CONNECTOR_1x_4.9 | length 118
  Top Layer w8: U13_U_BOARD_CONNECTOR_1x_4.9@1613.19,3630.83 1613.19,3599.48 1650.95,3561.72 1679.91,3561.72 v1(1682.97,3558.66)
CMD_RX8: U8.9 U13_U_BOARD_CONNECTOR_1x_4.12 | length 99.4
  Top Layer w8: v1(1520.71,3537.91) 1536.42,3553.62 U13_U_BOARD_CONNECTOR_1x_4.12@1536.42,3630.83
CMD_RXX: U5.37 U8.8
CMD_TX1: U9.4 U13_U_BOARD_CONNECTOR_1x_1.10 | length 3390.8
  Top Layer w8: U13_U_BOARD_CONNECTOR_1x_1.10@2586.2,3630.83 2586.2,3576.18 v1@2617.24,3545.15 ; v1(5020,3560.41) 5020.41,3560.41 5090,3490.82 5090,3060 5157.99,2992.01 U9.4@5194.72,2992.01
  Bottom Layer w8: v1(2619.31,3542.91) 2619.31,3589.31 2825,3795 4785.82,3795 5020,3560.82 v1(5020,3560.41)
CMD_TX2: U9.5 U13_U_BOARD_CONNECTOR_1x_1.11 | length 3432.5
  Top Layer w8: U13_U_BOARD_CONNECTOR_1x_1.11@2560.61,3630.83 2560.61,3555.9 2568.34,3548.18 v1(2568.34,3541.93) ; v1(5000,3505) 5055,3450 5055,3065 5153.58,2966.42 U9.5@5194.72,2966.42
  Bottom Layer w8: v1(2568.34,3541.93) 2597.63,3512.63 2634.84,3512.63 2650,3527.79 2650,3595 2820,3765 4742.8,3765 5000,3507.8 v1(5000,3505)
CMD_TX3: U9.6 U13_U_BOARD_CONNECTOR_1x_2.10 | length 1391.8
  Top Layer w8: U13_U_BOARD_CONNECTOR_1x_2.10@4363.7,3632.36 4363.7,3577.71 4382.69,3558.72 4405.28,3558.72 4428.99,3535 v1(4430,3535) ; v1(4950,3390) 5015,3325 5015,3060 5134.17,2940.83 U9.6@5194.72,2940.83
  Bottom Layer w8: v1(4430,3535) 4430,3577.63 4462.37,3610 4730,3610 v1(4950,3390)
CMD_TX4: U9.7 U13_U_BOARD_CONNECTOR_1x_2.11 | length 1338.9
  Top Layer w8: U13_U_BOARD_CONNECTOR_1x_2.11@4338.11,3632.36 4338.11,3557.43 4345.84,3549.71 v1(4345.84,3543.46) ; v1(4935,3340) 4990,3285 4990,3050 5124.76,2915.24 U9.7@5194.72,2915.24
  Bottom Layer w8: v1(4345.84,3543.46) 4419.3,3470 4805,3470 v1(4935,3340)
CMD_TX5: U9.12 U13_U_BOARD_CONNECTOR_1x_3.10 | length 783.3
  Top Layer w8: U9.12@5426.06,2966.42 5466.42,2966.42 v1@5500,3000 ; U13_U_BOARD_CONNECTOR_1x_3.10@5516.89,3632.92 5516.89,3578.27 v1@5547.92,3547.24
  Bottom Layer w8: v1(5501.54,3001.26) 5590,3089.72 5590,3505 v1(5550,3545)
CMD_TX6: U9.11 U13_U_BOARD_CONNECTOR_1x_3.11 | length 926.1
  Top Layer w8: U9.11@5426.06,2940.83 5486.85,2940.83 v1@5507.17,2961.15 ; U13_U_BOARD_CONNECTOR_1x_3.11@5491.3,3632.92 5491.3,3557.99 5499.03,3550.27 v1(5499.03,3544.02)
  Bottom Layer w8: v1(5499.03,3544.02) 5523.01,3568 5559.53,3568 5572.53,3555 5575,3555 5615,3515 5615,3068.7 v1(5508.71,2962.41)
CMD_TX7: U9.10 U13_U_BOARD_CONNECTOR_1x_4.10 | length 5320.5
  Top Layer w8: U13_U_BOARD_CONNECTOR_1x_4.10@1587.6,3630.83 1587.6,3576.18 v1@1618.63,3545.14 ; v1@4940,3280 v1(4940,3275) 4940,3010 5095,2855 5255,2855 5315.24,2915.24 U9.10@5426.06,2915.24
  Bottom Layer w8: v1(1620.71,3542.91) 1620.71,3835.71 1720,3935 4900,3935 5045,3790 5045,3380 v1(4940,3275)
CMD_TX8: U9.9 U13_U_BOARD_CONNECTOR_1x_4.11 | length 5598.1
  Top Layer w8: U13_U_BOARD_CONNECTOR_1x_4.11@1562.01,3630.83 1562.01,3555.9 1569.73,3548.17 v1(1569.73,3541.93) ; v1(4905,3265) 4905,3000 5075,2830 5285,2830 5344.64,2889.64 U9.9@5426.06,2889.64
  Bottom Layer w8: v1(1569.73,3541.93) 1569.73,3848.95 1682.28,3961.49 4939.72,3961.49 5095,3806.21 5095,3385 4950,3240 4930,3240 v1(4905,3265)
CMD_TXX: U5.38 U9.8
FLASH_CS: U3.1 U5.9 | length 1161.8
  Top Layer w8: U3.1@1367.13,1992.32 1291.06,2068.38 1291.06,2416.06 1508.87,2633.87 1783.7,2633.87 1819.78,2597.8 U5.9@1892.44,2597.8
FLASH_MISO: J4.7 J7.32 LCD1.32 U3.2 U5.35 | length 8754.2
  Top Layer w8: U3.2@1367.13,1942.32 1423.82,1942.32 1423.82,1902.95 1590.55,1736.22 1771.65,1736.22 1846.46,1661.42 1846.46,1592.04 1440.94,1186.53 J4.7@1440.94,1092.52 ; U5.35@2344.25,2499.37 v1@2575.56,2499.37 ; v1(2574.24,2500.69) v1@2575.56,2499.37 ; v1(6055.12,1921.26) J7.32@6208.66,1921.26 7047.24,1921.26 7125.98,1842.52 LCD1.32@7348.82,1842.52 ; v1(6133.86,2429.13) 6074.55,2488.44 5747.4,2488.44 5612.47,2353.51 2721.42,2353.51 v1@2575.56,2499.37
  Bottom Layer w8: v1(1425.2,1940.94) 1570.87,1795.28 1791.34,1795.28 2496.76,2500.69 v1(2574.24,2500.69) ; v1(6055.12,1921.26) 6023.62,1952.76 6023.62,2004.89 6220.47,2201.74 6220.47,2311.02 6133.86,2397.64 v1(6133.86,2429.13)
FLASH_MOSI: J4.3 J7.34 LCD1.34 U3.5 U5.36 | length 8339.6
  Top Layer w8: J4.3@1614.17,1092.52 1614.17,1257.2 1913.39,1556.41 1913.39,1692.91 1763.78,1842.52 v1(1759.84,1842.52) 1656.69,1842.52 U3.5@1656.5,1842.32 ; U5.36@2344.25,2519.06 2527.79,2519.06 v1(2546.35,2537.61) 2602.36,2537.61 2760.52,2379.45 5591.84,2379.45 5750,2537.61 5923.05,2537.61 5928.74,2543.31 v1(5933.07,2543.31) ; v1(6055.12,1842.52) J7.34@6208.66,1842.52 7007.87,1842.52 7107.87,1742.52 LCD1.34@7348.82,1742.52
  Bottom Layer w8: v1(1759.84,1842.52) 1795.28,1842.52 2490.37,2537.61 v1(2546.35,2537.61) ; v1(5933.07,2543.31) 5842.52,2543.31 5598.21,2299 5598.21,2171.17 5926.86,1842.52 v1(6055.12,1842.52)
FLASH_NCS: J7.37 LCD1.37 U5.54 | length 7243.2
  Top Layer w8: U5.54@2167.56,2833.54 2167.56,2895.91 2243.35,2971.69 2402.7,2971.69 2875.88,2498.5 3720.35,2498.5 3728.35,2506.5 3759.83,2506.5 3811.88,2454.45 5564.48,2454.45 5735,2624.98 5992.74,2624.98 5999.61,2618.11 v1(6003.94,2618.11) ; v1(6125.98,1724.41) J7.37@6208.66,1724.41 6960.63,1724.41 7090.55,1594.49 7396.85,1594.49 LCD1.37@7448.82,1542.52
  Bottom Layer w8: v1(6003.94,2618.11) 5781.11,2618.11 5535.2,2372.2 5535.2,2046.46 5857.25,1724.41 v1(6125.98,1724.41)
FLASH_SCK: J4.5 J7.33 LCD1.33 U3.6 U5.34 | length 8636
  Top Layer w8: J4.5@1527.56,1092.52 1527.56,1233.58 1877.95,1583.97 1877.95,1688.98 1787.4,1779.53 1629.92,1779.53 1574.8,1834.65 1574.8,1881.89 1585.24,1892.32 U3.6@1656.5,1892.32 1719.6,1892.32 v1@1719.84,1892.57 ; U5.34@2344.25,2479.69 2500.63,2479.69 v1@2523.62,2456.69 ; v1(2524.75,2456.31) 2575.19,2456.31 2704.72,2326.77 5624.45,2326.77 5763.12,2465.44 v1(5864.47,2465.44) ; v1(6125.98,1881.89) J7.33@6208.66,1881.89 7031.5,1881.89 7125.98,1787.4 7403.94,1787.4 LCD1.33@7448.82,1742.52
  Bottom Layer w8: v1(1724.41,1893.7) 1799.21,1893.7 2473.47,2567.96 2563.59,2567.96 2604.29,2527.26 2604.29,2484.93 2581.46,2462.1 2534.87,2462.1 2529.08,2456.31 v1(2524.75,2456.31) ; v1(5864.47,2465.44) 5815.84,2465.44 5637.8,2287.4 5637.8,2206.15 5962.05,1881.89 v1(6125.98,1881.89)
FONT_NCS: J7.36 LCD1.36 U5.53 | length 6893.4
  Top Layer w8: U5.53@2187.24,2833.54 2187.24,2894.38 2249.56,2956.69 2396.48,2956.69 2869.67,2483.5 3726.57,2483.5 3734.57,2491.5 3753.62,2491.5 3819.89,2425.24 5588.3,2425.24 5745.73,2582.68 v1(5968.5,2582.68) ; v1(6055.12,1763.78) J7.36@6208.66,1763.78 6984.25,1763.78 7105.51,1642.52 LCD1.36@7348.82,1642.52
  Bottom Layer w8: v1(5968.5,2582.68) 5964.17,2582.68 5960.24,2586.61 5810.35,2586.61 5564.53,2340.79 5564.53,2080.29 5881.05,1763.78 v1(6055.12,1763.78)